# Altium PCB DIOT_Template.PcbDoc (part 3 of 3)
Units mm, origin at the board's own origin, x right, y up, seen from the top; angles counter-clockwise.
Board outline 222.9 x 100 mm, 4 copper layers (L1, P2, P3, L4), stack 1.512 mm thick; 158 components, 138 nets, 617 pads, 345 vias.
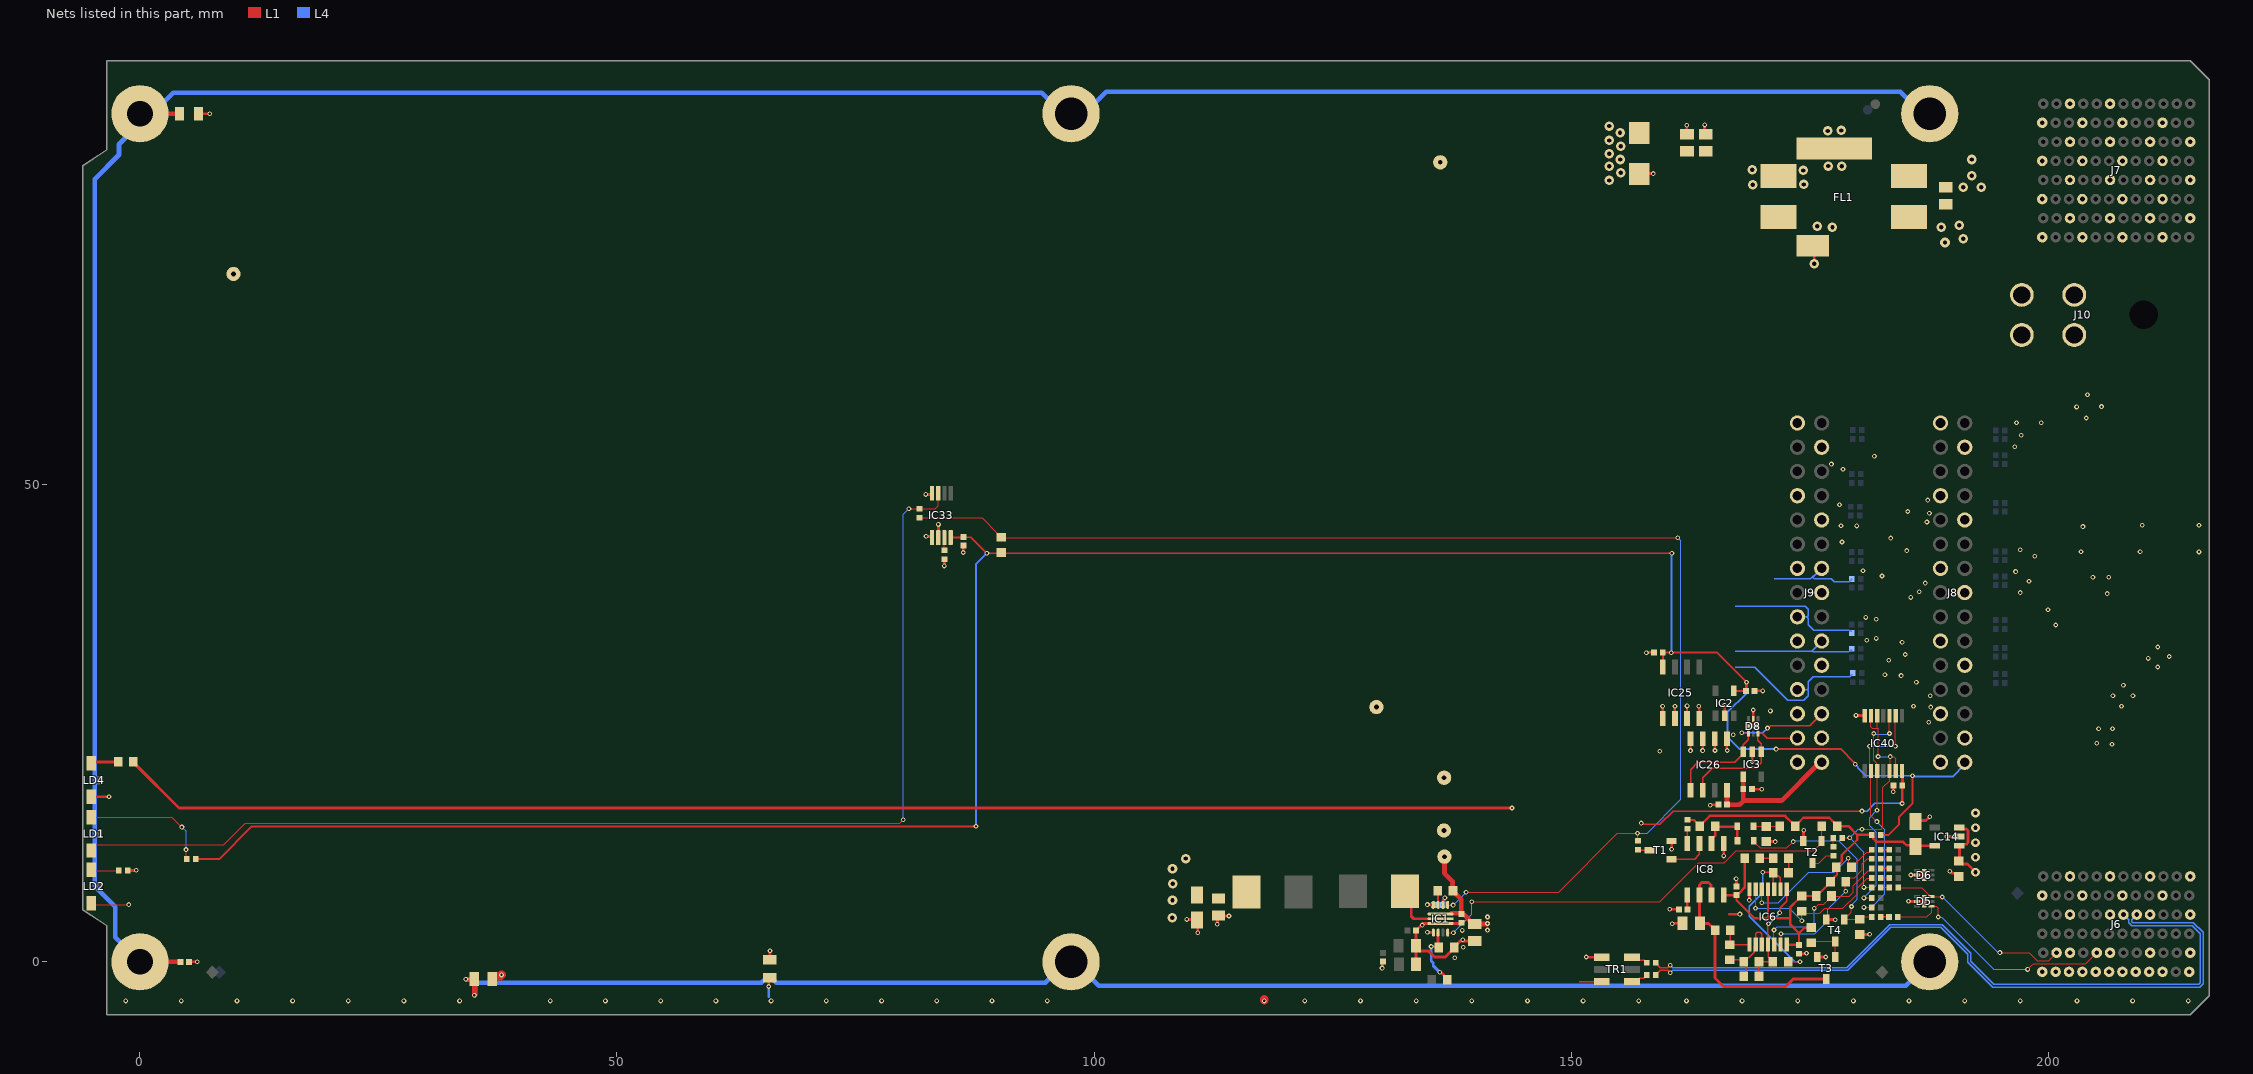
[diagram p5: the nets of this part, all layers, seen from the top]

## Via types
v1: diameter 0.5, hole 0.25, L1 to L4, tented both sides, 307 vias
v2: diameter 1, hole 0.45, L1 to L4, tented both sides, 33 vias
v3: diameter 0.9, hole 0.45, L1 to L4, tented both sides, 5 vias

## Nets (pads, with @x,y where several pads share a name; then routed paths per layer and width w, separated by ;. In a path a pad name is that pad's centre, name@x,y a point inside that pad or via, vN(x,y) a via of type N, cw(c..) or ccw(c..) an arc to the next point about the centre after c; other vN are vias at no path point) (continued)
EEM_IO.LVDS_P12: J9.14 R157.2 | length 10.3
  L4 w0.14: 171.311,40.147 174.723,40.147 174.725,40.149 174.936,40.149 175.052,40.149 175.237,40.268 175.357,40.38 175.682,40.686 J9.14@175.704,40.707 ; J9.14@176.27,41.239 J9.14@175.704,40.707 ; R157.2@179.438,40.132 179.438,40.112 179.151,39.825 177.607,39.825 177.283,40.149 175.47,40.149 175.388,40.231 175.388,40.347 175.704,40.663 J9.14@175.704,40.707
EEM_IO.LVDS_P13: J9.17 R158.2 | length 15.3
  L4 w0.14: 167.2,37.248 174.576,37.248 174.85,36.974 174.85,36.276 174.715,36.14 174.866,35.989 174.866,35.334 175.442,34.758 179.147,34.758 179.234,34.671 R158.2@179.438,34.671 ; J9.17@173.73,36.16 174.667,36.16
EEM_IO.LVDS_P14: J9.20 R159.2 | length 13.9
  L4 w0.14: 167.2,32.55 175.2,32.55 175.331,32.681 ; J9.20@176.27,33.62 175.331,32.681 ; R159.2@179.464,32.664 179.3,32.664 179.21,32.574 179.21,32.561 179.128,32.479 175.413,32.479 175.331,32.561 175.331,32.681
EEM_IO.LVDS_P15: J9.23 R143.1 | length 16.8
  L4 w0.14: 167.2,30.9 169.237,30.9 172.7,27.437 174.406,27.437 174.85,27.881 174.85,28.458 174.768,28.54 ; J9.23@173.73,28.54 174.768,28.54 ; R143.1@179.477,30.074 179.346,30.074 179.297,30.025 179.297,29.982 179.215,29.9 175.392,29.9 174.85,29.358 174.85,28.622 174.768,28.54
GA0: IC6.6 R15.1 R46.2 | length 17.7
  L1 w0.125: v1(169.331,5.625) 169.34,5.633 IC6.6@169.34,7.649 ; v1(174.2,4.3) R46.2@174.2,5.3 174.4,5.1 176.087,5.1 176.587,5.6 178.499,5.6 180,7.101 180,7.722 181.054,8.776 181.456,8.776 R15.1@181.48,8.8
  L4 w0.125: v1(169.331,5.625) 172.875,5.625 v1(174.2,4.3)
GA1: IC6.12 R2.2 R16.1 | length 15.7
  L1 w0.125: v1(171.275,3.337) 171.275,1.864 IC6.12@171.29,1.849 ; v1(175.5,5.6) 175.955,6.055 176.505,6.055 176.912,6.462 177.3,6.85 R2.2@177.3,6.9 177.344,6.856 179.151,6.856 179.581,7.286 179.581,7.981 181.153,9.553 181.253,9.553 181.48,9.78 R16.1@181.48,9.8
  L4 w0.125: v1(171.275,3.337) 171.638,3.7 175.1,3.7 175.5,4.1 v1(175.5,5.6)
GA2: IC6.13 R18.1 R30.2 | length 15.8
  L1 w0.125: IC6.13@171.94,1.849 172.011,1.921 v1(172.011,2.946) ; v1(178.8,7.4) 178.757,7.443 178.757,8.357 R30.2@178.8,8.4 ; R30.2@178.8,8.45 179.173,8.823 179.728,8.823 180.542,9.638 180.542,10.278 181.046,10.781 181.511,10.781 R18.1@181.53,10.8
  L4 w0.125: v1@171.811,2.946 175.546,2.946 176.9,4.3 176.9,5.5 v1(178.8,7.4)
GA3: IC6.5 R12.2 R20.1 | length 16.4
  L1 w0.125: v1(170,6.2) IC6.5@170,7.6 ; v1(179.06,10.851) 179.132,10.78 179.132,10.168 R12.2@179.4,9.9 179.4,9.95 179.788,10.338 179.82,10.338 180.981,11.499 181.249,11.499 181.477,11.726 R20.1@181.477,11.746
  L4 w0.125: v1(170,6.2) 171.709,6.2 174.909,9.4 177.609,9.4 v1(179.06,10.851)
GND: B6.1 B16.1 B17.1 B18.1 C1.1 C8.1 C10.1 C11.1 C12.1 C40.1 C79.1 C80.1 C81.1 C82.1 C83.1 C84.1 C85.2 C86.1 C87.1 C102.2 C212.2 C219.1 C220.1 C245.1 C262.1 C263.1 C298.1 C306.1 C307.1 D5.2 D5.7 D6.2 D6.7 D8.2 D8.7 D10.2 FL1.4 IC1.3 IC1.4 IC1.11 IC2.2 IC3.2 IC6.7 IC8.1 IC14.2 IC25.1 IC25.2 IC25.3 IC25.4 IC26.1 IC26.2 IC26.3 IC26.4 IC33.4 IC33.5 IC33.6 IC40.7 J6.A2 J6.A4 J6.A6 J6.C1 J6.C5 J6.D2 J6.D4 J6.D6 J6.F1 J6.F5 J6.G2 J6.G4 J6.G6 J6.I1 J6.I5 J6.J2 J6.J4 J6.J6 J6.L1 J6.L5 J7.A2 J7.A4 J7.A6 J7.C1 J7.C3 J7.C5 J7.C7 J7.D2 J7.D4 J7.D6 J7.F1 J7.F3 J7.F5 J7.F7 J7.G2 J7.G4 J7.G6 J7.G8 J7.I1 J7.I3 J7.I5 J7.I7 J7.J2 J7.J4 J7.J6 J7.J8 J7.L1 J7.L3 J7.L5 J7.L7 J8.1 J8.4 J8.7 J8.10 J8.13 J8.16 J8.19 J8.22 J8.25 J9.1 J9.4 J9.7 J9.10 J9.13 J9.16 J9.19 J9.22 J9.25 LD2.1 LD4.1 R22.1 R69.1 R119.2 R126.2 R194.1 T1.2 T2.2 T3.2 T4.2 TR1.6 | length 82.4
  L1 w0.125: LD2.1@-5.1,6.149 -4.945,5.994 v1(-1.168,5.994)
  L1 w0.25: v1(151.6,0.5) 151.63,0.47 TR1.6@153.21,0.47 ; v1(157.9,32.4) 157.937,32.437 C219.1@158.713,32.437 ; v1(159.6,26.8) 159.623,26.777 IC25.1@159.623,25.517 ; v1(160.359,5.519) 160.377,5.501 C11.1@161.3,5.501 ; v1(160.541,11.797) 160.541,12.641 T1.2@160.55,12.65 ; v1(160.6,4) 160.629,4.029 C8.1@161.7,4.029 ; IC25.2@160.893,25.517 160.893,26.793 v1(160.9,26.8) ; IC25.3@162.163,25.517 v1(162.164,26.823) v1(162.164,26.823) ; v1@162.529,22.137 IC26.4@162.529,23.375 ; v1(163.4,26.8) 163.433,26.767 IC25.4@163.433,25.517 ; v1(163.795,22.141) 163.799,22.145 IC26.3@163.799,23.375 ; v1(164.6,16.4) 164.668,16.4 164.736,16.468 C220.1@165.45,16.468 ; IC26.2@165.069,23.375 165.069,22.167 v1(165.089,22.147) ; IC2.2@166.1,25.8 v1(166.1,26.9) ; IC26.1@166.339,23.375 166.339,22.176 v1(166.367,22.149) ; 166.6,5 v1(167.7,5) ; C307.1@168.95,18.1 v1(170,18.1) ; v1(169,21) IC3.2@169,22 ; D8.7@169.1,24.7 D8.2@169.1,25.46 v1(169.1,26.4) ; C306.1@169.25,28.4 v1(170.1,28.4)
  L1 w0.3: LD4.1@-5.1,17.3 v1(-3.251,17.3) ; C212.2@5.15,0 v1(6,0) ; R126.2@6.152,88.9 v1(7.303,88.9) ; R119.2@66.015,0.239 66.04,0.264 v1(66.04,1.168) ; v1(82.372,48.997) 83.01,48.997 IC33.4@83.02,48.987 ; v1(82.4,44.6) 83.007,44.6 IC33.5@83.02,44.587 ; IC33.6@83.67,44.587 83.681,44.599 83.681,45.835 v1(83.693,45.847) ; v1(84.3,41.5) 84.313,41.513 84.313,42.168 R194.1@84.326,42.181 ; C245.1@86.28,43.67 C245.1@86.3,43.65 v1(86.3,42.9) ; v1(109.728,4.445) 110.74,4.445 C85.2@110.795,4.39 110.871,4.313 v1(110.871,3.048) ; v1(112.929,3.937) 112.929,4.728 C84.1@113.056,4.855 113.11,4.801 v1(114.148,4.801) ; v1(130.201,-0.66) 130.239,-0.622 130.239,-0.005 C80.1@130.277,0.033 ; C83.1@133.742,1.702 133.742,1.527 C83.1@133.749,1.52 ; C83.1@133.749,1.702 C81.1@133.749,3.277 134.486,4.013 IC1.3@136.322,4.013 138.423,4.013 C86.1@138.506,4.097 ; C82.1@133.768,-0.254 133.749,-0.236 C83.1@133.749,1.52 ; v1(134.95,3.099) 134.968,3.081 135.572,3.081 IC1.4@135.572,3.063 ; v1(134.95,5.994) 134.966,5.979 135.572,5.979 IC1.11@135.572,5.963 ; C87.1@139.903,2.173 138.382,2.173 137.782,1.574 137.782,1.474 136.816,0.508 135.678,0.508 135.035,1.152 134.117,1.152 C83.1@133.749,1.52 ; D10.2@157.15,82.582 157.192,82.623 v1(158.623,82.623) ; v1(162.128,87.678) 162.128,86.794 C262.1@162.171,86.751 ; v1(164.008,87.729) 164.008,86.864 C263.1@164.121,86.751 ; v1(166,11.1) 166.005,11.105 IC8.1@166.005,12.4 ; v1(167.3,8.7) 167.329,8.671 C10.1@167.329,7.89 ; v1(168.689,6.466) 168.691,6.469 168.691,7.647 IC6.7@168.69,7.649 ; C12.1@170.441,12.6 v1(171.4,12.6) ; C1.1@173.9,0.85 174.592,0.85 174.632,0.89 v1(174.686,0.89) ; T2.2@174.378,12.791 174.378,13.778 v1(174.4,13.8) ; FL1.4@175.338,75.06 175.489,74.909 v2(175.489,73.175) ; T3.2@175.8,0.5 v1(176.7,0.5) ; T4.2@176.75,4.45 177.596,4.45 177.646,4.4 v1(177.7,4.4) ; v1(179.872,25.832) 180.746,25.832 IC40.7@180.792,25.785 ; R22.1@180.259,2.867 181.267,2.867 v1(181.3,2.9) ; v1(183.783,17.838) 183.799,17.855 183.799,18.482 C298.1@183.816,18.499 ; v1(185.372,6.344) 185.384,6.331 D5.7@187.024,6.331 ; v1(185.626,9.099) D6.7@187.031,9.099 ; C102.2@186.1,14.8 187.2,14.8 v1(187.6,15.2) ; v1(189.404,13.128) IC14.2@190.704,13.128 ; v1(189.7,9.5) 189.754,9.5 189.964,9.29 190.33,9.29 C40.1@190.655,8.965
  L4 w0.3: v1(134.95,5.994) 134.966,5.979 135.606,5.979 C79.1@135.622,5.963
  other v1: 137.822,0.419 138.711,1.537 138.66,2.324 138.609,3.289 134.411,3.848 159.309,22.073 162.53,22.136 206.7,22.8 205.1,22.9 167,23.8 205.305,24.433 206.752,24.433 187.5,25.1 170.9,26.3 187.7,26.7 185.9,26.8 207.7,26.8 187.656,27.901 206.8,27.9 208.9,27.9 207.9,29 186.2,29.3 184.6,30 182.9,30.1 211.5,30.9 183.3,31.6 210.5,31.8 212.7,32 185.039,32.207 211.5,33 184.7,33.5 181,33.7 182,33.9 200.8,35.3 182,35.9 180.9,36.1 200,36.9 185.6,38.2 206.2,38.6 197.1,38.7 186.5,38.8 187.139,39.7 198,39.9 204.7,40.3 206.375,40.31 182.602,40.435 196.6,40.9 180.6,41 198.6,42.5 215.831,42.965 203.461,42.99 209.653,42.978 185.2,43.1 197.1,43.2 178.4,44 183.513,44.418 203.659,45.62 178.3,45.7 179.959,45.695 215.831,45.759 209.882,45.772 187.3,46.1 187.563,47.009 185.3,47.2 178.144,47.908 187.4,48.4 178.507,51.637 177.292,52.172 181.8,53 196.5,54 197.2,55.2 196.7,56.5 199.3,56.5 204,57 202.997,58.166 205.6,58.2 204.14,59.436
  other v2: 177.4,77 175.8,77.1 169.063,81.455 174.397,81.48 174.346,82.954 168.986,83.03 178.384,83.385 176.962,83.411 176.911,87.094 178.334,87.145
I2C_SCL1: D8.6 IC3.1 IC26.6 J9.27 | length 15.7
  L1 w0.15: IC26.6@163.799,17.975 163.799,19.299 164.81,20.31 169.41,20.31 169.95,20.85 IC3.1@169.95,22 169.95,22.25 169.95,22.848 169.599,23.199 169.599,23.984 170.065,23.984 170.589,23.46 J9.27@173.73,23.46
I2C_SDA1: D8.4 IC3.3 IC26.5 J9.26 | length 20.7
  L1 w0.15: IC26.5@162.529,17.975 162.529,20.129 163.3,20.9 167.159,20.9 167.784,21.525 167.825,21.525 168.05,21.75 168.05,22.744 168.596,23.291 D8.4@168.596,23.936 ; v1(167.9,24) 167.946,23.954 168.586,23.954 D8.4@168.6,23.94 ; v1(170.6,24.5) 170.695,24.5 170.83,24.635 170.837,24.635 170.945,24.744 175.014,24.744 J9.26@176.27,26
  L4 w0.15: v1(167.9,24) 170.1,24 v1(170.6,24.5)
NetC8_2: C8.2 IC8.6 IC8.7 R35.2 T3.3 | length 25.9
  L1 w0.3: IC8.7@164.735,7 164.662,7.073 164.662,8.038 164.4,8.3 163.7,8.3 163.465,8.065 IC8.6@163.465,7 163.465,4.064 C8.2@163.5,4.029 164.412,4.029 164.791,3.65 164.8,3.65 R35.2@165.1,3.35 ; R35.2@165.1,3.3 R35.2@165.1,3.35 ; T3.3@176.75,-1.8 173.3,-1.8 172.502,-2.598 165.998,-2.598 165.1,-1.7 R35.2@165.1,3.35
NetC11_2: C11.2 IC8.5 | length 1.5
  L1 w0.25: C11.2@162.195,5.506 IC8.5@162.195,7
NetC12_2: C12.2 D2.1 R39.2 | length 2.8
  L1 w0.125: D2.1@169.139,14.203 170.438,14.203 C12.2@170.441,14.2 171.896,14.2 R39.2@171.899,14.203
NetC79_2: C79.2 IC1.9 | length 1.7
  L1 w0.3: IC1.9@136.572,5.963 136.572,6.444 136.779,6.651 v1(136.779,6.706)
  L4 w0.3: C79.2@136.522,5.963 136.682,6.123 136.682,6.554 136.779,6.651 v1(136.779,6.706)
NetC264_1: C264.1 FL1.3 J10.1 J10.2
  other v2: 191.1,81.2 193,81.2 192,82.4 192,84.1
NetC264_2: C264.2 FL1.1 J10.3 J10.4
  other v2: 189.2,75.4 191.1,75.8 188.8,77 190.7,77.2
NetD1_2: D1.2 D2.2 IC8.2 R21.2 | length 5.8
  L1 w0.25: IC8.2@164.735,12.4 164.735,12.875 164.91,13.05 164.92,13.05 165.1,13.23 R21.2@165.1,14.2 ; R21.2@165.1,14.177 167.441,14.177 167.441,14.201 D2.2@167.439,14.203 D1.2@167.439,12.702
NetD5_4: D5.4 J6.H2 R133.2 | length 25.7
  L1 w0.125: R133.2@184.27,4.7 187.3,4.7 187.802,5.202 D5.4@187.802,5.831 ; D5.4@187.784,5.831 188.269,5.831 188.5,5.6 v1(188.5,4.7) ; v1(197.858,-0.795) 197.896,-0.795 198.253,-0.438 198.253,-0.435 198.488,-0.2 203.95,-0.2 J6.H2@205.1,0.95
  L4 w0.125: v1(188.5,4.7) 188.534,4.666 188.834,4.666 194.295,-0.795 v1(197.858,-0.795)
NetD5_6: D5.6 J6.K2 R138.2 | length 20.2
  L1 w0.125: R138.2@184.27,7.8 184.292,7.778 186.738,7.778 187.532,6.984 187.532,6.919 187.619,6.831 D5.6@187.784,6.831 ; D5.6@187.787,6.828 188.886,6.828 v1(188.916,6.798) ; v1(194.958,0.963) 198.037,0.963 198.87,0.13 200.081,0.13 J6.K2@200.9,0.95
  L4 w0.125: v1(188.916,6.798) 194.68,1.034 194.886,1.034 v1(194.958,0.963)
NetIC1_2: IC1.2 L2.1 | length 6.1
  L1 w0.3: L2.1@132.614,7.417 133.249,6.782 133.249,4.775 133.511,4.513 IC1.2@136.322,4.513
NetIC1_5: IC1.5 R68.1 R69.2 | length 6.5
  L1 w0.3: v1(135.331,1.6) R69.2@136.106,1.6 ; IC1.5@136.072,3.063 136.072,1.634 R69.2@136.106,1.6 ; R69.2@136.182,1.524 R69.2@136.106,1.6 ; v1(136.246,-1.092) 136.284,-1.13 136.397,-1.13 136.995,-1.728 R68.1@136.995,-1.778
  L4 w0.3: v1(135.331,1.6) 135.357,1.575 135.357,0.102 135.566,-0.108 135.566,-0.412 v1(136.246,-1.092)
NetIC1_10: IC1.10 R154.2 | length 1.5
  L1 w0.2: R154.2@136.03,7.468 136.072,7.426 IC1.10@136.072,5.963
NetIC6_1: IC6.1 IC6.11 R28.1 R37.1 R38.1 | length 11.5
  L1 w0.14: R38.1@169.7,-1.5 R37.1@169.7,0 ; R37.1@169.703,0.003 R28.1@171.15,0.003 ; IC6.11@170.64,1.849 170.64,3.94 v1(170.7,4) ; IC6.11@170.65,1.8 170.65,0.55 170.747,0.453 170.751,0.453 R28.1@171.131,0.073 ; v1(171.867,5.144) 171.867,5.641 172.6,6.374 IC6.1@172.6,7.6
  L4 w0.14: v1(170.7,4) 170.797,4 170.933,4.135 170.935,4.135 171.867,5.067 v1(171.867,5.144)
NetIC6_2: IC6.2 IC6.3 R11.2 R28.2 | length 18.8
  L1 w0.15: v1(170.1,9.4) 170.923,9.4 R11.2@171.2,9.123 ; R11.2@171.2,9.35 R11.2@171.2,9.123 ; IC6.3@171.3,7.6 171.2,7.7 R11.2@171.2,9.123 ; R11.2@171.3,9.015 171.315,9 171.747,9 171.95,8.797 IC6.2@171.95,7.6 ; R11.2@171.309,9.015 R11.2@171.2,9.123 ; R28.2@172.75,0.003 172.753,0 v1(174,0)
  L4 w0.15: v1(170.1,9.4) 170.1,7.238 168.7,5.838 168.7,4.753 173.45,0.003 173.997,0.003 v1(174,0)
NetIC6_8: IC6.8 R35.1 R43.1 | length 3.6
  L1 w0.14: R43.1@166.65,1.798 IC6.8@168.7,1.8 ; R43.1@166.7,1.753 R35.1@166.7,3.3
NetIC6_9: IC6.9 IC6.10 R37.2 R38.2 R43.2 | length 8.7
  L1 w0.14: R43.2@166.65,0.198 167.902,0.198 R37.2@168.1,0 168.35,0 168.35,0.3 168.48,0.43 168.64,0.43 169.195,0.985 169.195,1.645 IC6.9@169.35,1.8 169.35,2.95 169.5,3.1 169.846,3.1 170,2.946 IC6.10@170,1.8 ; R38.2@168.3,-1.478 R37.2@168.3,0.022
NetIC8_4: IC8.4 R32.2 | length 1.5
  L1 w0.15: IC8.4@162.195,12.4 162.2,12.405 R32.2@162.2,13.93
NetIC33_3: IC33.3 LD1.1 R188.1 | length 123.8
  L1 w0.125: LD1.1@-5.1,11.661 -5.1,11.838 -4.663,12.275 8.796,12.275 11.04,14.519 79.645,14.519 v1(80.01,14.884) ; v1(80.6,47.5) 80.63,47.47 R188.1@81.7,47.47 83.355,47.47 83.67,47.784 IC33.3@83.67,48.987
  L4 w0.125: v1(80.01,14.884) 79.998,14.897 79.998,46.898 v1(80.6,47.5)
NetIC33_7: IC33.7 R194.2 | length 1.7
  L1 w0.125: R194.2@84.049,42.939 84.144,42.939 R194.2@84.326,43.121 ; R194.2@84.326,43.19 IC33.7@84.326,44.581
NetLD1_2: LD1.2 R186.1 | length 13.7
  L1 w0.125: LD1.2@-5.1,15.161 3.355,15.161 v1(4.394,14.122) ; R186.1@4.826,10.77 v1(4.826,11.76)
  L1 w0.3: R186.1@4.749,10.63 R186.1@4.889,10.77
  L4 w0.125: v1(4.394,14.122) 4.826,13.691 v1(4.826,11.76)
NetLD2_2: LD2.2 R57.1 | length 2.9
  L1 w0.125: LD2.2@-5.1,9.649 -5.001,9.55 R57.1@-2.223,9.55
NetLD4_2: LD4.2 R224.1 | length 2.9
  L1 w0.3: LD4.2@-5.1,20.8 -4.945,20.955 R224.1@-2.286,20.955
NetR1_1: R1.1 T2.3 | length 2.5
  L1 w0.125: T2.3@175.3,10.35 175.95,10.35 176.73,11.13 R1.1@177.5,11.13
NetR1_2: R1.2 R55.1 | length 0.9
  L1 w0.125: R1.2@177.5,11.87 R55.1@177.5,12.796
NetR4_1: R4.1 T3.1 T4.3 | length 4.2
  L1 w0.125: R4.1@175.2,2 175.35,2.15 T4.3@177.7,2.15 T3.1@177.7,0.5
NetR9_2: R9.2 R10.2 | length 1.4
  L1 w0.15: R9.2@169.801,10.85 R10.2@171.2,10.85
NetR10_1: R10.1 R11.1 | length 1.5
  L1 w0.15: R11.1@172.8,9.35 R10.1@172.8,10.85
NetR15_2: R15.2 R130.1 | length 0.9
  L1 w0.125: R15.2@182.42,8.8 R130.1@183.33,8.8
NetR16_2: R16.2 R131.1 | length 0.9
  L1 w0.14: R16.2@182.42,9.741 R16.2@182.426,9.735 ; R16.2@182.428,9.8 R131.1@183.33,9.8
NetR17_2: R17.2 R133.1 | length 0.9
  L1 w0.14: R17.2@182.416,4.713 183.317,4.713 R133.1@183.33,4.7
NetR18_2: R18.2 R136.1 | length 0.9
  L1 w0.125: R18.2@182.42,10.8 R136.1@183.33,10.8
NetR19_2: R19.2 R138.1 | length 0.9
  L1 w0.125: R19.2@182.42,7.8 R138.1@183.33,7.8
NetR20_2: R20.2 R140.1 | length 0.9
  L1 w0.15: R20.2@182.47,11.746 183.339,11.746 R140.1@183.34,11.745
NetR33_1: R33.1 T1.3 | length 1.3
  L1 w0.15: R33.1@157,11.73 157.03,11.7 T1.3@158.25,11.7
P3V3: B4.1 C84.2 C85.1 C298.2 IC40.14 L3.2 R57.2 | length 32.6
  L1 w0.15: v1(157.356,14.544) 157.451,14.544 157.595,14.4 159.3,14.4 160.7,15.8 v1(180.5,15.8)
  L1 w0.3: R57.2@-1.283,9.55 -1.257,9.576 -0.406,9.576 v1(-0.381,9.601) ; IC40.14@184.692,19.985 184.73,19.948 C298.2@184.73,18.499 ; v1(184.7,16.6) 184.716,16.616 C298.2@184.716,18.499
  L4 w0.15: v1(180.5,15.8) 181.029,15.8 181.829,16.6 v1(184.7,16.6)
  other v2: 108.204,4.623 108.23,6.452 108.255,8.179 108.23,9.754 109.627,10.82
P3V3_DIOT: C1.2 C10.2 C102.1 IC6.4 IC6.14 IC8.8 IC14.5 R2.1 R4.2 R8.1 R9.1 R12.1 R21.1 R30.1 R32.1 R39.1 R40.2 R46.1 | length 63.1
  L1 w0.25: R32.1@162.2,14.87 162.874,14.87 163.169,14.575 163.175,14.575 163.5,14.25 R21.1@163.5,14.2 163.825,14.525 163.825,14.584 164.541,15.3 172.447,15.3 173.169,14.578 173.174,14.578 R39.1@173.499,14.253 ; IC8.8@166.005,7 166.015,6.99 C10.2@167.329,6.99 ; R9.1@168.194,10.843 168.194,7.775 167.595,7.175 167.514,7.175 C10.2@167.329,6.99 ; IC6.4@170.65,7.6 170.65,4.613 170.6,4.563 ; IC6.14@172.6,1.8 173.85,1.8 C1.2@173.9,1.75 ; R39.1@173.499,14.203 R39.1@173.499,14.253 ; C1.2@173.9,1.8 173.9,3 ; R46.1@174.2,6.9 174.15,6.9 173.825,6.575 173.825,6.565 173,5.74 173,4.563 ; R46.1@174.203,6.897 R2.1@175.697,6.897 ; R4.2@175.2,3.6 175.171,3.571 174.471,3.571 173.9,3 ; R2.1@175.7,6.9 175.7,6.95 176.025,7.275 176.118,7.275 176.868,8.025 176.875,8.025 177.2,8.35 R30.1@177.2,8.4 ; R30.1@177.2,8.45 177.525,8.775 177.528,8.775 177.879,9.125 177.879,10.029 178.381,10.531 178.381,11.181 180,12.8 180,13.3 ; R40.2@177.9,14.2 177.922,14.222 179.078,14.222 180,13.3 ; R40.2@177.925,14.225 177.575,14.575 177.575,14.59 177.065,15.1 174.35,15.1 173.827,14.578 173.824,14.578 R39.1@173.499,14.253 ; IC14.5@188.104,12.178 186.121,12.178 186.1,12.2 185.188,12.2 184.815,12.573 182.024,12.573 181.695,12.902 181.695,13.135 R8.1@181.53,13.3 180,13.3 ; C10.2@167.329,6.99 167.348,6.97 167.348,6.452 169.237,4.563 170.6,4.563 ; 170.6,4.563 173,4.563 ; 173,4.563 173,3.9 173.9,3
P3V3_MP: C219.2 C245.2 C306.2 IC2.4 IC25.8 IC33.8 J8.30 R8.2 R186.2 R187.2 | length 256.1
  L1 w0.2: R186.2@5.829,10.77 8.293,10.77 11.722,14.199 v1(87.63,14.199) ; IC33.8@85.095,43.937 84.97,44.062 84.97,44.587 85.081,44.475 C245.2@86.3,44.475 ; C245.2@86.3,44.55 86.35,44.5 87.1,44.5 v1(88.776,42.824) R187.2@90.3,42.824 ; R187.2@90.3,42.9 90.376,42.824 v1(160.579,42.824) ; IC25.8@159.623,30.917 159.623,32.428 C219.2@159.613,32.437 165.263,32.437 v1(168.4,29.3) 168.35,29.25 C306.2@168.35,28.4 IC2.4@167.05,28.4 ; v1(171.5,22.3) 178.3,22.3 179.661,20.939 179.661,20.92 179.8,20.781 v1(179.8,20.7) ; R8.2@182.47,13.3 183.3,13.3 184.4,14.4 184.4,15.2 185.8,16.6 v1(185.8,19.5)
  L4 w0.2: v1(87.63,14.199) 87.618,14.211 87.618,41.666 v1(88.776,42.824) ; v1(160.5,32.4) 160.554,32.454 160.554,42.799 v1(160.579,42.824) ; v1(168.4,29.3) 168.4,28.14 166.4,26.14 166.4,23.6 167.7,22.3 v1(171.5,22.3) ; v1(179.8,20.7) 179.8,20.69 180.057,20.433 180.057,20.343 180.9,19.5 v1(185.8,19.5) 185.857,19.443 186.046,19.443 186.067,19.421 190,19.421 191.27,20.691 J8.30@191.27,20.92 J8.30@191.482,20.708
P3V3_MP2: C220.2 C307.2 IC3.4 IC26.8 J9.30 | length 15.6
  L1 w0.5: IC26.8@166.339,17.975 166.35,17.964 C220.2@166.35,16.468 167.661,16.468 168.093,16.9 ; IC3.4@168.05,19.4 168.05,16.943 168.093,16.9 ; J9.30@175.975,20.949 175.975,20.787 172.088,16.9 168.093,16.9
P12V0: B5.1 C40.2 C86.2 C87.2 C262.2 C263.2 D10.1 FL1.2 IC1.1 IC14.1 IC14.3 J6.A1 J6.D1 J6.E1 J6.G1 J6.H1 J6.J1 J6.K1 J8.28 J8.29 J9.28 J9.29 R154.1 R224.2 | length 164.8
  L1 w0.3: R224.2@-0.686,20.955 -0.686,20.905 -0.386,20.605 4.09,16.129 v1(143.815,16.129) ; IC14.3@190.704,14.078 190.846,13.936 191.448,13.936 191.624,13.761 191.624,12.496 191.448,12.321 190.846,12.321 IC14.1@190.704,12.178 190.704,10.565 C40.2@190.655,10.565 190.975,10.245 191.555,10.245 v3(192.4,9.4)
  L1 w0.5: B5.1@136.728,11.024 136.728,9.272 137.576,8.424 137.576,7.522 R154.1@137.63,7.468 ; IC1.1@137.472,5.1 138.403,5.1 C86.2@138.506,4.997 138.566,4.937 138.82,4.937 139.193,4.563 139.193,4.508 139.728,3.973 C87.2@139.903,3.973 141.21,3.973 v1(141.25,4.013) ; R154.1@137.63,7.418 138.506,6.541 C86.2@138.506,5.08 ; v1(141.25,4.699) v1@141.25,4.75
  other v1: 141.25,3.327
  other v2: 154,81.9 155.2,82.7 154,83.4 155.169,84.097 154,84.7 155.2,85.5 154,86.1 155.143,86.891 154,87.6
  other v3: 192.4,10.95 192.4,12.5 192.4,14.05 192.4,15.6
PE_CLK: TR1.4 | length 2.3
  L1 w0.14: 150.87,-2.07 TR1.4@153.21,-2.07
PE_CLK.CLK_N: R14.1 TR1.1 | length 1.8
  L1 w0.14: TR1.1@156.39,0.47 156.691,0.169 157.681,0.169 157.93,-0.08 R14.1@157.93,-0.1
PE_CLK.CLK_P: R13.1 TR1.3 | length 1.8
  L1 w0.14: TR1.3@156.39,-2.07 156.835,-2.07 157.193,-1.712 157.638,-1.712 157.93,-1.42 R13.1@157.93,-1.4
PE_CLK_N: J6.F4 R14.2 | length 76.7
  L1 w0.14: R14.2@158.87,-0.1 158.87,-0.12 159.35,-0.6 160.138,-0.6 160.375,-0.363 v1(160.4,-0.363)
  L4 w0.14: v1(160.4,-0.363) 160.425,-0.363 160.662,-0.6 178.9,-0.6 183.4,3.9 188.9,3.9 191.9,0.9 191.9,0.064 194.327,-2.362 215.773,-2.362 215.956,-2.18 215.956,2.955 215.111,3.8 208.763,3.8 208.462,4.101 208.462,4.388 J6.F4@207.9,4.95
PE_CLK_P: J6.E4 R13.2 | length 77.2
  L1 w0.14: R13.2@158.87,-1.4 158.87,-1.38 159.35,-0.9 160.138,-0.9 160.375,-1.138 v1(160.4,-1.138)
  L4 w0.14: v1(160.4,-1.138) 160.425,-1.138 160.662,-0.9 179.024,-0.9 183.524,3.6 188.776,3.6 191.6,0.776 191.6,-0.06 194.202,-2.662 215.897,-2.662 216.256,-2.304 216.256,3.079 215.235,4.1 208.888,4.1 208.762,4.225 208.762,4.412 J6.E4@209.3,4.95
PGOOD: IC1.7 R40.1 T2.1 | length 45.6
  L1 w0.125: IC1.7@137.072,3.063 137.087,3.048 v1(137.668,3.048) ; v1(139.6,6.3) 159.3,6.3 163.4,10.4 166.078,10.4 167.332,11.654 175.454,11.654 176.25,12.45 T2.1@176.25,12.65 ; R40.1@176.3,14.035 R40.1@176.3,14.2 ; T2.1@176.305,12.65 R40.1@176.305,14.035
  L4 w0.125: v1(137.668,3.048) 139.6,4.98 v1(139.6,6.3)
PSU_EN: IC1.8 R33.2 R187.1 R188.2 | length 137.7
  L1 w0.125: R188.2@81.7,46.53 88.27,46.53 89.862,44.937 89.862,44.887 90.25,44.5 R187.1@90.3,44.5 ; R187.1@90.35,44.45 v1(161.189,44.45) ; IC1.8@137.072,5.963 137.092,5.944 v1(137.643,5.944) ; v1(139,7.3) 148.7,7.3 154.87,13.47 v1(156.965,13.47) 157,13.436 R33.2@157,12.67
  L4 w0.125: v1(137.643,5.944) v1(139,7.3) ; v1(156.965,13.47) 157.97,13.47 161.528,17.028 161.528,44.111 v1(161.189,44.45)
RST: IC8.3 T1.1 | length 4.3
  L1 w0.15: T1.1@160.55,10.75 162.95,10.75 163.465,11.265 IC8.3@163.465,12.4
RSTn: D1.1 R17.1 R22.2 T4.1 | length 22.3
  L1 w0.125: D1.1@169.141,12.7 169.141,12.6 169.378,12.363 169.386,12.363 169.813,11.935 172.635,11.935 v1(173.3,12.6) ; v1(179.4,5.8) 179.4,5.2 179.083,4.883 178.912,4.883 178.65,4.62 T4.1@178.65,4.45 178.667,4.467 R22.2@180.259,4.467 180.492,4.7 R17.1@181.53,4.7
  L4 w0.125: v1(173.3,12.6) 173.372,12.672 173.532,12.672 173.561,12.7 178.05,12.7 180,10.75 180,6.561 179.472,6.032 179.472,5.872 v1(179.4,5.8)
SERVMOD_3V3: IC40.5 IC40.6 IC40.12 IC40.13 R19.1 R55.2 | length 28.5
  L1 w0.125: R55.2@178.432,12.996 178.436,13 v1(179.2,13) ; v1(180.5,13.9) 182.5,13.9 182.7,14.1 182.7,18.303 183.392,18.996 IC40.12@183.392,19.985 183.454,20.047 v1(183.454,21.514) ; v1(180.7,7.8) R19.1@181.48,7.8 ; IC40.6@181.442,25.785 181.442,24.658 181.6,24.5 182.112,24.5 ; IC40.5@182.092,25.785 182.112,25.766 182.112,24.5 ; v1(182.188,21.517) 182.198,21.527 182.198,24.427 182.161,24.463 182.125,24.5 182.112,24.5 ; v1@183.454,21.515 183.818,21.515 184.042,21.29 IC40.13@184.042,19.985
  L4 w0.125: v1(180.5,13.9) 180.1,13.9 v1(179.2,13) 180.7,11.5 v1(180.7,7.8) ; v1(182.188,21.517) 182.191,21.514 v1(183.454,21.514)
STRIP1: B1.1 B2.1 C212.1 M2.1 M3.1 M5.1 M6.1 R120.2 R126.1 | length 452.4
  L1 w0.5: B1.1@0,0 C212.1@4.25,0 ; B2.1@0,88.9 R126.1@4.152,88.9 ; v1(34.162,-1.829) 35.018,-1.829 35.051,-1.862 v1(35.051,-3.505)
  L4 w0.5: B1.1@0,0 -2.6,2.6 -2.6,5.78 -4.75,7.93 -4.75,82.05 -2.2,84.6 -2.2,85.689 B2.1@0,87.889 ; B2.1@0,88.9 1.3,88.9 3.5,91.1 94.523,91.1 96.723,88.9 M2.1@97.6,88.9 98.977,88.9 101.277,91.2 184.523,91.2 186.823,88.9 M3.1@187.6,88.9 ; v1(34.162,-1.829) 34.744,-1.829 35.115,-2.2 ; v1(35.051,-3.505) 35.115,-3.441 35.115,-2.2 ; M6.1@187.6,0 185.102,-2.498 100.498,-2.498 98,0 M5.1@97.6,0 97.111,0 94.911,-2.2 66.692,-2.2 66.256,-1.764 65.571,-1.764 65.134,-2.2 36.8,-2.2 35.115,-2.2
  other v1: -1.5,-4.1 4.333,-4.1 10.167,-4.1 16,-4.1 21.833,-4.1 27.667,-4.1 33.5,-4.1
STRIP2: R119.1 | length 2
  L1 w0.3: v1(65.913,-2.591) 65.913,-1.763 R119.1@66.015,-1.661
  L4 w0.3: 65.913,-3.644 v1(65.913,-2.591)
  other v1: 43,-4.1 48.789,-4.1 54.578,-4.1 60.367,-4.1 66.156,-4.1 71.944,-4.1 77.733,-4.1 83.522,-4.1 89.311,-4.1 95.1,-4.1
STRIP3: R120.1 | length 1.3
  L1 w0.9: R120.1@36.947,-1.8 36.947,-1.575 36.997,-1.525 37.744,-1.525 v1(37.896,-1.373) ; v1@117.856,-4.013 v1@117.856,-3.937
  other v1: 117.856,-4.1 122.1,-4.1 127.933,-4.1 133.767,-4.1 139.6,-4.1 145.433,-4.1 151.267,-4.1 157.1,-4.1 162.1,-4.1 167.933,-4.1 173.767,-4.1 179.6,-4.1 185.433,-4.1 191.267,-4.1 197.1,-4.1 203.033,-4.1 208.867,-4.1 214.7,-4.1
Switch_I2C.SCL: IC40.2 IC40.9 R77.2 | length 25.7
  L1 w0.125: v1(180.7,5.7) R77.2@181.53,5.7 ; v1(181.3,22.6) 181.3,20.128 IC40.9@181.442,19.985 181.442,15.318 v1(182.06,14.7) ; v1(184,22.6) 184,25.743 IC40.2@184.042,25.785
  L4 w0.125: v1(180.7,5.7) 181.5,5.7 182.91,7.11 182.91,13.851 v1(182.06,14.7) ; v1(181.3,22.6) v1(184,22.6)
Switch_I2C.SDA: IC40.3 IC40.10 R3.2 | length 22.9
  L1 w0.125: v1(180.7,6.7) R3.2@181.53,6.7 ; v1(181.726,23.936) 181.726,22.795 181.74,22.782 181.74,22.418 181.726,22.405 181.726,21.107 182.031,20.803 182.031,20.047 IC40.10@182.092,19.985 182.092,15.914 v1(182.069,15.891) ; v1(183.377,23.936) 183.377,25.77 IC40.3@183.392,25.785
  L4 w0.125: v1(180.7,6.7) 182,8 182,13.6 181.315,14.285 181.315,15.115 182.069,15.869 v1(182.069,15.891) ; v1(181.726,23.936) 181.798,23.865 181.986,23.865 181.987,23.863 183.203,23.863 183.276,23.936 v1(183.377,23.936)
pads on no net: D5.5 D6.5 D8.5 FTG1.FTG2 FTG2.1 FTG3.1 FTG4.1 FTG5.1 FTG6.1 IC2.5 IC3.5 IC14.4 IC25.7 IC26.7 J6.B1 J6.G3 J6.H3 J6.I2 J6.J3 J6.K3 J6.L2 J7.A3 J7.A5 J7.A7 J7.A8 J7.B2 J7.B3 J7.B4 J7.B5 J7.B6 J7.B7 J7.B8 J7.C2 J7.C4 J7.C6 J7.C8 J7.D3 J7.D5 J7.D7 J7.D8 J7.E2 J7.E3 J7.E4 J7.E5 J7.E6 J7.E7 J7.E8 J7.F2 J7.F4 J7.F6 J7.F8 J7.G3 J7.G5 J7.G7 J7.H2 J7.H3 J7.H4 J7.H5 J7.H6 J7.H7 J7.H8 J7.I2 J7.I4 J7.I6 J7.I8 J7.J3 J7.J5 J7.J7 J7.K2 J7.K3 J7.K4 J7.K5 J7.K6 J7.K7 J7.K8 J7.L2 J7.L4 J7.L6 J7.L8 J10.5 LD1.3 LD2.3 LD4.3 TR1.2 TR1.5

## Polygon pours and split planes (outlines as drawn)
P12V0 on L1 "L1-P12V0" (solid, remove dead copper, pour order 254): 174.444,79.956 174.828,79.572 174.828,77.028 173.159,75.359 168.656,75.359 168.605,75.41 165.79,75.41 160.151,81.049 154.051,81.049 153.2,81.9 153.2,87.9 154.096,88.796 165.049,88.796 166.319,87.526 166.319,81.912 168.339,79.893 168.402,79.956
no net on L1 "NONET_L01_P252" (solid, pour order 252): 234.831,96.306 450.831,96.306 451.831,95.306 451.831,0.306 450.831,-0.694 449.831,0.306 241.831,0.306 241.831,5.306 233.831,5.306 233.831,8.306 231.831,8.306 231.831,85.306 234.831,88.306
STRIP1 on L1 "esd1" (solid, pour order 171): 3,1.7 ccw(c1,1.7) 1,3.7 -3.2,3.7 -3.2,-4.65 36.5,-4.65 36.5,-3.202 3,-3.202
STRIP2 on L1 "esd1" (solid, pour order 173): 96.932,-4.651 96.932,-3.156 41.932,-3.156 41.932,-4.651
STRIP3 on L1 "STRIP3_L01_P172" (solid, pour order 172): 214.885,-4.645 216.388,-3.142 116.932,-3.142 116.932,-4.645
P3V3 on L1 "P3V3_L01_P241" (solid, pour order 241): 107.976,1.575 115.926,1.575 118.059,3.708 118.059,9.754 116.18,11.633 108.839,11.633 107.315,10.109 107.315,2.235 107.95,1.6
3V3 on L1 "3V3_L01_P239" (solid, pour order 239): 125.07,11.405 128.448,11.405 128.854,10.998 128.854,7.925 132.969,3.81 132.969,-1.575 131.877,-2.667 122.733,-2.667 120.015,0.051 120.015,10.592 120.904,11.481 123.241,11.481 124.028,10.693 124.028,2.057 124.968,1.118 130.455,1.118 130.455,1.753 130.378,1.829 125.984,1.829 124.486,3.327 124.486,10.795 125.044,11.354
GND on L1 "GND_L01_P237" (solid, remove dead copper, pour order 237): 133.147,4.521 138.938,4.521 139.802,3.658 140.919,3.658 141.3,3.277 141.3,0.584 138.811,-1.905 132.893,-1.905 132.893,4.191 133.198,4.496
GND on L1 "GND_L01_P245" (solid, pour order 245): 174.81,80.09 175.2,79.7 175.2,76.8 174.5,76.1 173.7,76.1 173.7,75 173.6,74.9 173.6,73.6 174.5,72.7 176.7,72.7 177.9,73.9 177.9,80.2 175.8,82.3 175.692,82.4 175.692,83.69 174.727,84.655 168.301,84.655 167.894,84.249 167.894,80.718 168.555,80.058 174.778,80.058
NetC264_2 on L1 "NETC264_2_L01_P244" (solid, pour order 244): 183.59,75.41 182.4,76.6 182.4,79.2 183.2,80.007 190.293,80.007 191.7,78.6 191.7,75.5 190.6,74.4 189.4,74.4 188.39,75.41
NetC264_1 on L1 "NETC264_1_L01_P243" (solid, pour order 243): 183.213,80.287 182.4,81.1 182.4,84.1 183.2,84.884 188.519,84.884 188.551,84.852 192.2,84.9 194.1,83 194.1,81.2 193.187,80.287
STRIP1 on L4 "esd1" (solid, pour order 147): 3,1.7 ccw(c1,1.7) 1,3.7 -3.2,3.7 -3.2,-4.65 36.5,-4.65 36.5,-3.135 3,-3.135
P12V0 on L4 "L4-P12V0" (solid, remove dead copper, pour order 250): 189.7,24.765 188.135,23.2 179.086,23.2 177.355,24.931 175.741,24.941 165.913,15.113 165.913,12.013 159.132,5.232 146.431,5.232 146.431,71.531 156.7,81.8 156.7,87.7 155.9,88.5 151.3,88.5 140.513,77.713 140.513,4.928 140.437,4.851 140.513,4.775 140.513,2.286 142.418,0.381 161.981,0.381 177.754,16.154 188.011,16.154 189.611,14.554 189.611,9.3 190.311,8.6 192.672,8.6 193.282,9.28 193.282,16.7 194.5,17.918 194.5,22.665 192.4,24.765
NetC264_1 on L4 "NETC264_1_L04_P248" (solid, pour order 248): 191.4,79.2 200.7,69.9 200.7,64.9 202,63.6 204,63.6 205.6,65.2 205.6,71.4 204.2,72.8 201.5,72.8 198.3,76 198.3,78.631 192.075,84.8 190.2,84.8 189.281,83.881 189.281,81.319
no net on L4 "NONET_L04_P253" (solid, pour order 253): 228.658,93.313 444.658,93.313 445.658,92.313 445.658,-2.687 444.658,-3.687 443.658,-2.687 235.658,-2.687 235.658,2.313 227.658,2.313 227.658,5.313 225.658,5.313 225.658,82.313 228.658,85.313
GND on L4 "GND_L04_P234" (solid, remove dead copper, pour order 234): 202.9,46.2 202.9,42.7 216.9,42.7 216.9,46.2
NetC264_2 on L4 "NETC264_2_L04_P247" (solid, pour order 247): 199.9,65.5 199.9,69.9 191.6,78.2 190.7,78.2 188.2,78.2 187.5,77.5 187.5,76.101 194.201,69.401 194.2,65.2 195.6,63.8 198.2,63.8
STRIP3 on L4 "STRIP3_L04_P175" (solid, pour order 175): 214.895,-4.635 216.379,-3.151 116.932,-3.151 116.932,-4.635
STRIP2 on L4 "esd1" (solid, pour order 176): 96.932,-4.651 96.932,-3.146 41.932,-3.146 41.932,-4.651
GND on P3 (split plane): 216.298,92.201 216.298,1.065 194.745,1.065 194.552,1.258 194.552,15.3 194.544,15.365 194.518,15.426 194.478,15.478 192.978,16.978 192.926,17.018 192.865,17.044 192.8,17.052 191.6,17.052 191.535,17.044 191.474,17.018 191.444,16.996 191.422,16.978 190.522,16.078 190.482,16.026 190.456,15.965 190.448,15.9 190.448,8.2 190.448,-4.948 157.889,-4.948 157.889,15.443 157.879,15.493 157.851,15.535 151.793,21.593 151.793,93.848 214.651,93.848
P3V3 on P3 (split plane): 151.534,21.539 151.544,21.49 151.572,21.448 157.63,15.39 157.63,-4.948 -2.898,-4.948 -2.898,3.8 -2.899,3.814 -2.899,3.827 -2.903,3.861 -2.906,3.894 -2.909,3.907 -2.91,3.921 -2.92,3.953 -2.928,3.986 -2.933,3.998 -2.937,4.012 -2.951,4.042 -2.964,4.073 -2.971,4.085 -2.977,4.097 -2.995,4.125 -3.013,4.154 -3.022,4.164 -3.029,4.175 -3.052,4.2 -3.074,4.226 -3.085,4.234 -3.094,4.244 -3.121,4.265 -3.146,4.287 -3.158,4.294 -3.168,4.302 -5.398,5.774 -5.398,83.126 -3.168,84.598 -3.158,84.606 -3.146,84.613 -3.121,84.635 -3.094,84.656 -3.085,84.666 -3.074,84.674 -3.052,84.7 -3.029,84.725 -3.022,84.736 -3.013,84.746 -2.995,84.775 -2.977,84.803 -2.971,84.815 -2.964,84.827 -2.951,84.858 -2.937,84.888 -2.933,84.902 -2.928,84.914 -2.92,84.947 -2.91,84.979 -2.909,84.993 -2.906,85.006 -2.903,85.039 -2.899,85.073 -2.899,85.086 -2.898,85.1 -2.898,93.848 151.534,93.848
P12V0 on P3 (split plane): 194.048,15.196 194.048,1.153 194.056,1.088 194.082,1.027 194.122,0.975 194.462,0.634 194.514,0.594 194.575,0.569 194.64,0.561 216.298,0.561 216.298,-3.301 214.651,-4.948 190.952,-4.948 190.952,8.2 190.952,15.796 191.704,16.548 192.696,16.548
NetC264_2 on P3 (split plane): 199.548,69.396 199.548,65.504 198.096,64.052 195.704,64.052 194.352,65.404 194.352,69.5 194.344,69.565 194.318,69.626 194.296,69.656 194.278,69.678 187.852,76.104 187.852,77.396 188.404,77.948 190.996,77.948
NetC264_1 on P3 (split plane): 197.948,78.696 197.948,76.1 197.956,76.035 197.982,75.974 198.022,75.922 201.322,72.622 201.374,72.582 201.435,72.556 201.5,72.548 204.096,72.548 205.348,71.296 205.348,65.404 203.696,63.752 202.504,63.752 201.052,65.204 201.052,69.7 201.044,69.765 201.018,69.826 200.996,69.856 200.978,69.878 189.552,81.304 189.552,83.596 190.504,84.548 192.096,84.548
GND on P2 (split plane): 216.298,92.201 216.298,-3.301 214.651,-4.948 119.658,-4.948 119.658,-3.48 119.649,-3.415 119.624,-3.354 119.584,-3.301 119,-2.717 118.947,-2.677 118.887,-2.652 118.821,-2.643 39.779,-2.643 39.47,-2.334 39.47,-1.321 39.461,-1.256 39.436,-1.195 39.396,-1.142 38.71,-0.457 38.658,-0.417 38.597,-0.391 38.532,-0.383 36.906,-0.383 36.841,-0.391 36.78,-0.417 36.728,-0.457 35.992,-1.193 35.951,-1.246 35.926,-1.306 35.918,-1.372 35.918,-4.948 -2.898,-4.948 -2.898,3.8 -2.899,3.814 -2.899,3.827 -2.903,3.861 -2.906,3.894 -2.909,3.907 -2.91,3.921 -2.92,3.953 -2.928,3.986 -2.933,3.998 -2.937,4.012 -2.951,4.042 -2.964,4.073 -2.971,4.085 -2.977,4.097 -2.995,4.125 -3.013,4.154 -3.022,4.164 -3.029,4.175 -3.052,4.2 -3.074,4.226 -3.085,4.234 -3.094,4.244 -3.121,4.265 -3.146,4.287 -3.158,4.294 -3.168,4.302 -5.398,5.774 -5.398,83.126 -3.168,84.598 -3.158,84.606 -3.146,84.613 -3.121,84.635 -3.094,84.656 -3.085,84.666 -3.074,84.674 -3.052,84.7 -3.029,84.725 -3.022,84.736 -3.013,84.746 -2.995,84.775 -2.977,84.803 -2.971,84.815 -2.964,84.827 -2.951,84.858 -2.937,84.888 -2.933,84.902 -2.928,84.914 -2.92,84.947 -2.91,84.979 -2.909,84.993 -2.906,85.006 -2.903,85.039 -2.899,85.073 -2.899,85.086 -2.898,85.1 -2.898,93.848 214.651,93.848
STRIP3 on P2 (split plane): 38.966,-1.425 38.966,-2.438 38.974,-2.504 38.999,-2.564 39.04,-2.617 39.497,-3.074 39.519,-3.091 39.549,-3.114 39.61,-3.139 39.675,-3.148 118.717,-3.148 119.153,-3.584 119.153,-4.948 36.422,-4.948 36.422,-1.476 37.011,-0.887 38.428,-0.887

## Keep-outs
L4:
  region: 6.7,85.4 -3.3,85.4 -3.3,92.4 6.7,92.4
  region: 6.7,-3.5 -3.3,-3.5 -3.3,3.5 6.7,3.5
Keep-Out Layer:
  drawing of 8328 lines, arcs and shapes, not listed

## Other copper
L1:
  rectangle net GND: 202.9,42.7 216.9,46.203
  rectangle net GND: 176.352,82.7 178.918,87.881
  rectangle net P12V0: 140.919,2.921 141.605,5.105
L4:
  rectangle net P12V0: 140.919,2.921 141.605,5.08
P2 (plane layer: these items are gaps in the copper):
  lines w0.5: 36.17,-5.41 36.17,-1.372 36.906,-0.635 38.532,-0.635 39.218,-1.321 39.218,-2.438 39.675,-2.896 118.821,-2.896 119.406,-3.48 119.406,-5.334
P3 (plane layer: these items are gaps in the copper):
  lines w0.254: 151.664,94.412 151.664,21.539 157.76,15.443 157.76,-5.486 171.323,-5.486
  lines w0.5: 190.7,-5.563 190.7,8.2 190.7,15.9 191.6,16.8 192.8,16.8 194.3,15.3 194.3,1.153 194.64,0.813 216.611,0.813 ; 187.6,76 194.1,69.5 194.1,65.3 195.6,63.8 198.2,63.8 199.8,65.4 199.8,69.5 191.1,78.2 188.3,78.2 187.6,77.5 187.6,76 ; 189.3,81.2 200.8,69.7 200.8,65.1 202.4,63.5 203.8,63.5 205.6,65.3 205.6,71.4 204.2,72.8 201.5,72.8 198.2,76.1 198.2,78.8 192.2,84.8 190.4,84.8 189.3,83.7 189.3,81.2

## Silkscreen, mask and mechanical layers (free items; w line width, h text height)
TopOverlay:
  lines w0.254: 157.606,-2.206 157.7,-2.3 159.2,-2.3 159.5,-2 ; 157.7,0.6 157.9,0.8 159.2,0.8 159.4,0.6 ; 181.245,4.085 181.43,3.9 182.55,3.9 182.709,4.059 ; 181.281,13.941 181.44,14.1 182.56,14.1 182.745,13.915
  text "GND" at 131.7,83.2 h1
  text "GND" at 5.4,71.4 h1
  text "WUT ISE 2024" at 112.649,64.186 h1.02
  text "EEM 0" at 187.8,62.3 h1
  text "EEM 1" at 173.145,62.173 h1
  text "DI/OT template v.P_version" at 107.29,58.826 h1.5
  text "P12V0" at -1.854,18.796 h1
  text "GND" at 132,18.6 h1
  text "DIOT" at 182.15,15.05 h1 r90
  text "OVT" at -2.159,13.284 h1
  text "P3V3" at 130.632,13.183 h1
  text "P12V0" at 130.556,11.506 h1
  text "PWR" at -2.26,7.493 h1
  text "DIOT" at 157.852,1.214 h1
BottomOverlay:
  lines w0.254: 178.6,28.8 178.9,28.5 180.9,28.5 181.3,28.9 ; 178.8,56.1 179.2,56.5 181,56.5 181.3,56.2 ; 193.8,28.7 194.1,28.4 195.8,28.4 196.2,28.8 ; 193.8,56.2 194.1,56.5 195.9,56.5 196.2,56.2
  text "WUT ISE 2024" at 125.04,63.293 h1.02
  text "DIOT" at 196.75,57.05 h1
  text "DIOT" at 181.681,56.865 h1
  text "DI/OT template v.P_version" at 133.798,55.916 h1.5
TopSolder:
  rectangle: -1.947,-4.947 0.23,-3.15
  rectangle: 0.23,-4.947 2.407,-3.175
  rectangle: 1.88,-4.947 216.849,-3.15
  region: 202.899,46.205 202.899,42.705 216.862,42.705 216.862,46.205
BottomSolder:
  rectangle: -1.947,-4.947 0.23,-3.15
  rectangle: 0.23,-4.947 2.407,-3.175
  rectangle: 1.799,-4.947 216.849,-3.15
  region: 202.899,46.205 202.899,42.705 216.862,42.705 216.862,46.205
Mechanical 1:
  the board outline again, w0.05
Mechanical 2:
  lines w0.1: -6.114,-19.788 -6.114,102.894
Mechanical 13:
  lines w0.01: -6.352,-6.334 -6.352,75.374
Drill Drawing:
  drawing of 307 lines, arcs and shapes, not listed
  text "Layer" at 53.073,140.279 h1.52
  text "Name" at 63.485,140.279 h1.52
  text "Material" at 85.577,140.279 h1.52
  text "Thickness" at 107.415,140.279 h1.52
  text "Constant" at 123.921,140.279 h1.52
  text "Gerber" at 138.396,140.279 h1.52
  text "Board Layer Stack" at 150.331,140.279 h1.52
  text "TopOverlay" at 63.485,137.231 h1.52
  text "GTO" at 138.396,137.231 h1.52
  text "TopSolder" at 63.485,134.183 h1.52
  text "Solder Resist" at 85.577,134.183 h1.52
  text "0,025mm" at 107.415,134.183 h1.52
  text "3.7" at 123.921,134.183 h1.52
  text "GTS" at 138.396,134.183 h1.52
  text "1" at 53.073,131.135 h1.52
  text "L1" at 63.485,131.135 h1.52
  text "0,035mm" at 107.415,131.135 h1.52
  text "GTL" at 138.396,131.135 h1.52
  text "Dielectric1" at 63.485,128.087 h1.52
  text "FR-4" at 85.577,128.087 h1.52
  text "0,138mm" at 107.415,128.087 h1.52
  text "4.3" at 123.921,128.087 h1.52
  text "2" at 53.073,125.039 h1.52
  text "P2" at 63.485,125.039 h1.52
  text "0,018mm" at 107.415,125.039 h1.52
  text "GP1" at 138.396,125.039 h1.52
  text "Dielectric3" at 63.485,121.991 h1.52
  text "FR-4" at 85.577,121.991 h1.52
  text "1,130mm" at 107.415,121.991 h1.52
  text "4.6" at 123.921,121.991 h1.52
  text "3" at 53.073,118.943 h1.52
  text "P3" at 63.485,118.943 h1.52
  text "0,018mm" at 107.415,118.943 h1.52
  text "GP2" at 138.396,118.943 h1.52
  text "Dielectric5" at 63.485,115.895 h1.52
  text "FR-4" at 85.577,115.895 h1.52
  text "0,138mm" at 107.415,115.895 h1.52
  text "4.3" at 123.921,115.895 h1.52
  text "4" at 53.073,112.847 h1.52
  text "L4" at 63.485,112.847 h1.52
  text "0,035mm" at 107.415,112.847 h1.52
  text "GBL" at 138.396,112.847 h1.52
  text "BottomSolder" at 63.485,109.799 h1.52
  text "Solder Resist" at 85.577,109.799 h1.52
  text "0,025mm" at 107.415,109.799 h1.52
  text "3.7" at 123.921,109.799 h1.52
  text "GBS" at 138.396,109.799 h1.52
  text "BottomOverlay" at 63.485,106.751 h1.52
  text "GBO" at 138.396,106.751 h1.52

## Text inside footprints (layer, text, board x,y; h text height)
J6: TopOverlay "A" at 215.3,-4.25 h1 r90; TopOverlay "B" at 213.9,-4.25 h1 r90; TopOverlay "C" at 212.5,-4.25 h1 r90; TopOverlay "D" at 211.1,-3.25 h1 r90; TopOverlay "E" at 209.7,-3.25 h1 r90; TopOverlay "F" at 208.3,-3.25 h1 r90; TopOverlay "G" at 206.9,-3.25 h1 r90; TopOverlay "H" at 205.5,-3.25 h1 r90; TopOverlay "I" at 204.1,-3 h1 r90; TopOverlay "J" at 202.7,-3.25 h1 r90; TopOverlay "K" at 201.3,-3.25 h1 r90; TopOverlay "L" at 199.9,-3.25 h1 r90; TopOverlay "1" at 194.85,-1.4 h1 r90; TopOverlay "2" at 194.85,0.6 h1 r90; TopOverlay "3" at 194.85,2.6 h1 r90; TopOverlay "4" at 194.85,4.6 h1 r90; TopOverlay "5" at 194.85,6.6 h1 r90; TopOverlay "6" at 194.85,8.6 h1 r90; Drill Drawing "PRESS-FIT TECHNOLOGY" at 215.55,11.45 h1 r180; Drill Drawing "Diam. 0.5mm +/-0.05" at 215.55,12.95 h1 r180; Mechanical 14 "A" at 215.3,-4.25 h1 r90; Mechanical 14 "B" at 213.9,-4.25 h1 r90; Mechanical 14 "C" at 212.5,-4.25 h1 r90; Mechanical 14 "D" at 211.1,-3.25 h1 r90; Mechanical 14 "E" at 209.7,-3.25 h1 r90; Mechanical 14 "F" at 208.3,-3.25 h1 r90; Mechanical 14 "G" at 206.9,-3.25 h1 r90; Mechanical 14 "H" at 205.5,-3.25 h1 r90; Mechanical 14 "I" at 204.1,-3 h1 r90; Mechanical 14 "J" at 202.7,-3.25 h1 r90; Mechanical 14 "K" at 201.3,-3.25 h1 r90; Mechanical 14 "L" at 199.9,-3.25 h1 r90; Mechanical 14 "1" at 194.85,-1.4 h1 r90; Mechanical 14 "2" at 194.85,0.6 h1 r90; Mechanical 14 "3" at 194.85,2.6 h1 r90; Mechanical 14 "4" at 194.85,4.6 h1 r90; Mechanical 14 "5" at 194.85,6.6 h1 r90; Mechanical 14 "6" at 194.85,8.6 h1 r90; Mechanical 8 "Top Surface of Mother Board" at 229.15,-0.425 h0.5 r90; Mechanical 8 "Edge of Daugher Card" at 217.65,0.725 h0.5 r90
J7: TopOverlay "A" at 215.3,72.75 h1 r90; TopOverlay "B" at 213.9,72.75 h1 r90; TopOverlay "C" at 212.5,72.75 h1 r90; TopOverlay "D" at 211.1,73.75 h1 r90; TopOverlay "E" at 209.7,73.75 h1 r90; TopOverlay "F" at 208.3,73.75 h1 r90; TopOverlay "G" at 206.9,73.75 h1 r90; TopOverlay "H" at 205.5,73.75 h1 r90; TopOverlay "I" at 204.1,74 h1 r90; TopOverlay "J" at 202.7,73.75 h1 r90; TopOverlay "K" at 201.3,73.75 h1 r90; TopOverlay "L" at 199.9,73.75 h1 r90; TopOverlay "1" at 194.85,75.6 h1 r90; TopOverlay "2" at 194.85,77.6 h1 r90; TopOverlay "3" at 194.85,79.6 h1 r90; TopOverlay "4" at 194.85,81.6 h1 r90; TopOverlay "5" at 194.85,83.6 h1 r90; TopOverlay "6" at 194.85,85.6 h1 r90; TopOverlay "8" at 194.85,89.6 h1 r90; TopOverlay "7" at 194.85,87.6 h1 r90; Drill Drawing "PRESS-FIT TECHNOLOGY" at 215.55,92.45 h1 r180; Drill Drawing "Diam. 0.5mm +/-0.05" at 215.55,93.95 h1 r180; Mechanical 14 "A" at 215.3,72.75 h1 r90; Mechanical 14 "B" at 213.9,72.75 h1 r90; Mechanical 14 "C" at 212.5,72.75 h1 r90; Mechanical 14 "D" at 211.1,73.75 h1 r90; Mechanical 14 "E" at 209.7,73.75 h1 r90; Mechanical 14 "F" at 208.3,73.75 h1 r90; Mechanical 14 "G" at 206.9,73.75 h1 r90; Mechanical 14 "H" at 205.5,73.75 h1 r90; Mechanical 14 "I" at 204.1,74 h1 r90; Mechanical 14 "J" at 202.7,73.75 h1 r90; Mechanical 14 "K" at 201.3,73.75 h1 r90; Mechanical 14 "L" at 199.9,73.75 h1 r90; Mechanical 14 "1" at 194.85,75.6 h1 r90; Mechanical 14 "2" at 194.85,77.6 h1 r90; Mechanical 14 "3" at 194.85,79.6 h1 r90; Mechanical 14 "4" at 194.85,81.6 h1 r90; Mechanical 14 "5" at 194.85,83.6 h1 r90; Mechanical 14 "6" at 194.85,85.6 h1 r90; Mechanical 14 "8" at 194.85,89.6 h1 r90; Mechanical 14 "7" at 194.85,87.6 h1 r90; Mechanical 8 "Top Surface of Mother Board" at 229.15,78.575 h0.5 r90; Mechanical 8 "Edge of Daugher Card" at 217.65,79.725 h0.5 r90
J8: TopOverlay "30" at 192.667,21.555 h1.02 r270; Mechanical 14 "30" at 192.667,21.555 h1.02 r270
J9: TopOverlay "30" at 177.667,21.555 h1.02 r270; Mechanical 14 "30" at 177.667,21.555 h1.02 r270
J10: TopOverlay "1" at 201.8,72.284 h1.2 r270; Mechanical 14 "1" at 201.8,72.284 h1.2 r270
LD1: Mechanical 8 "K" at -5.35,14.894 h0.5 r270
LD2: Mechanical 8 "K" at -5.35,9.382 h0.5 r270
LD4: Mechanical 8 "K" at -5.35,20.533 h0.5 r270